# KiCad board klofi.kicad_pcb (continued)
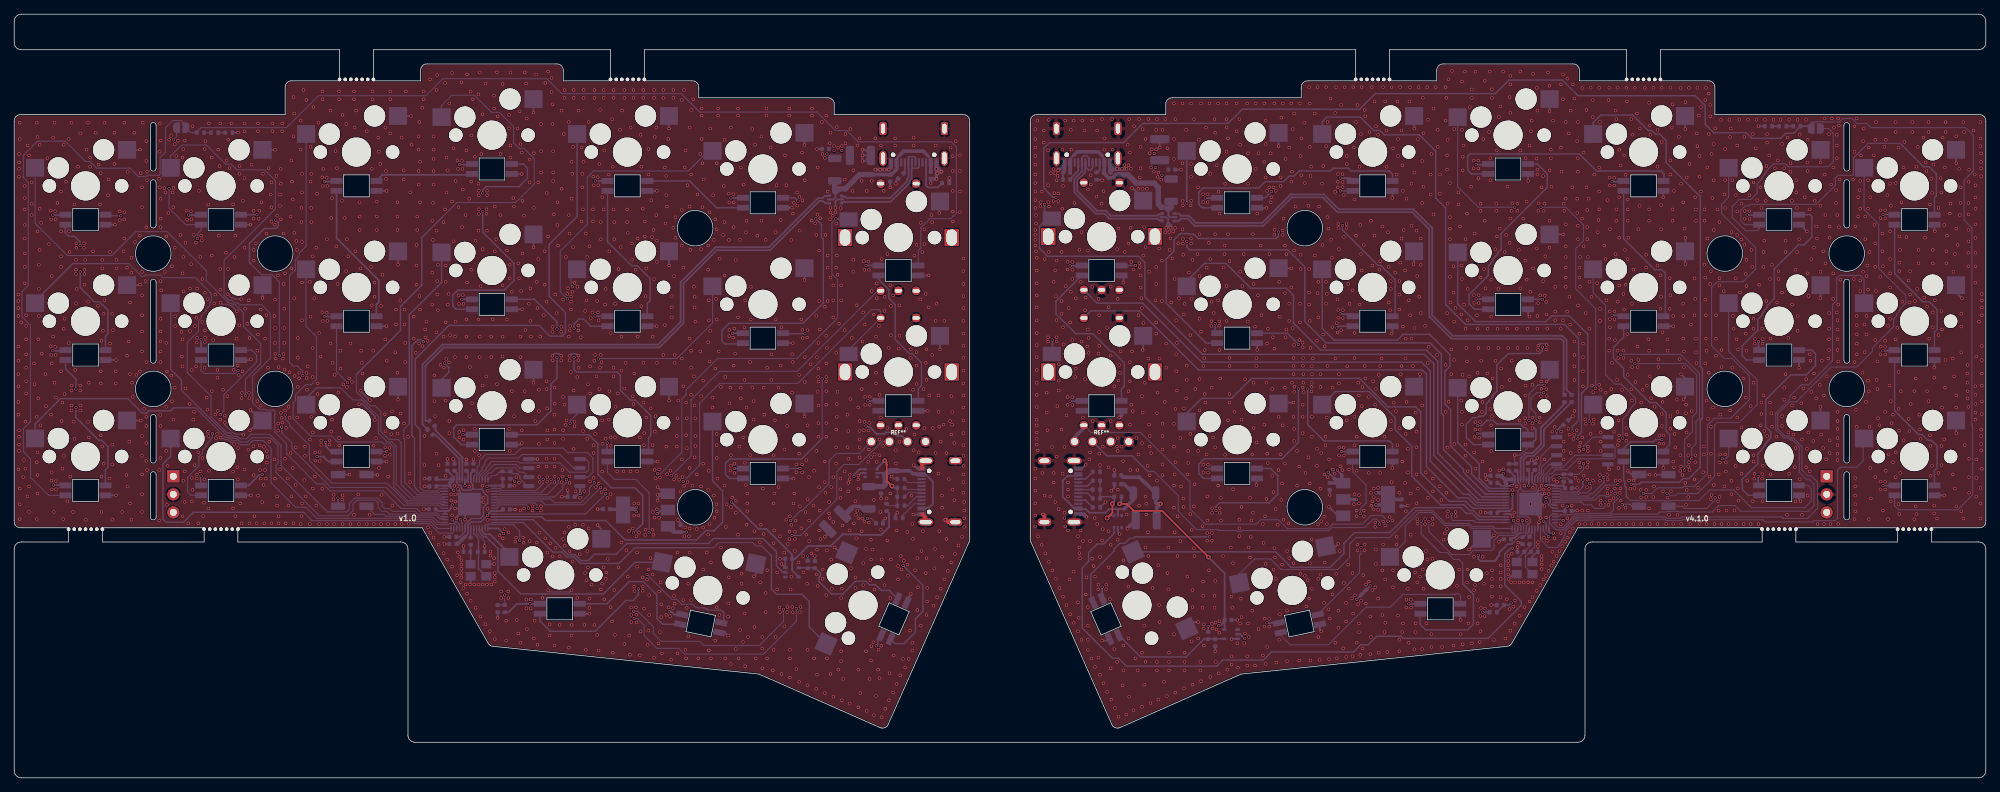
[diagram p0: board, top side]
## Routing (per net, layer and track width the routed paths; a pad name or vN(x,y) marks a point on that pad's centre or on a via; arc(x,y) is an arc through that point) (continued)
/left/VBUS_unfiltered: length 22.7
  Back w0.254: 128.4,87.64 128.88,87.16 J3.B4 ; J3.A4 124.08,87.2 124.29,87.41 124.29,87.43 124.68,87.82 ; 114.72,81.42 115.22,81.42 115.48,81.68 115.48,82.62
  Back w0.508: 120.58,84.92 123.33,84.92 124.08,85.67 J3.A4 ; 124.45,87.59 125.08,88.22 127.82,88.22 128.45,87.59 ; J3.B4 C7.1
  Back w0.762: 120.58,84.92 118.88,84.92 116.86,82.9 115.99,82.9 115.67,82.58 115.57,82.58 115.48,82.49 115.38,82.59 115.38,83.94
GND: length 186.3
  Front w0.508: v1(130.93,36.32) 131.04,36.32 131.36,36 J4.S4 ; J4.S1 127.68,44.15 127.68,43.57 ; 128.16,36.58 127.68,37.07
  Back w0.152: v1(31.91,67.38) 31.01,67.38 30.81,67.58 30.51,67.58 v1(30.01,68.08) ; v1(32.21,48.28) 32.11,48.38 31.17,48.38 31.07,48.48 30.91,48.48 30.78,48.62 30.68,48.62 29.61,49.68 v1(29.61,49.98) ; v1(29.01,47.88) 29.11,47.78 29.42,47.78 29.6,47.6 30.06,47.6 30.18,47.48 30.21,47.48 30.51,47.18 30.71,47.18 v1(30.91,46.98) ; R7.1 123.73,42.07 v1(123.38,42.42) ; v1(66.14,32.62) 66.14,33.29 65.01,34.42 U5.19 ; v1(31.31,65.68) 30.51,66.48 30.23,66.48 30.06,66.65 29.24,66.65 v1(29.01,66.88) ; 127.68,37.07 127.63,37.12 J4.B1 ; v1(78.38,26.42) 78.12,26.16 75.33,26.16 v1(75.08,26.42)
  Back w0.203: R18.2 v1(31.48,90.82) ; v1(48.51,52.58) 49.01,52.58 50.71,50.88 v1(50.71,50.38) ; v1(48.71,54.48) 48.71,54.38 49.91,53.18 v1(50.01,53.18) ; SW20.2 104.28,28.62 v1(104.03,28.37) ; v1(107.88,30.12) U6.3 ; v1(75.68,59.42) 75.94,59.68 76.65,59.68 v1(76.91,59.42) ; C25.2 v1(112.58,31.22) ; C23.2 v1(63.18,32.62) ; v1(79.31,59.42) 79.05,59.68 78.39,59.68 v1(78.11,59.4) ; C22.2 v1(66.14,32.62) ; C24.2 v1(107.68,30.82)
  Back w0.254: v1(53.97,72.23) SW9.2 ; U5.57 64.28,38.82 v1(65.98,38.82) ; U5.57 63.67,38.88 v1(62.02,38.88) ; U5.57 62.68,39.87 62.68,40.32 62.4,40.6 v1(62.4,40.65) ; U5.57 62.18,36.71 v1(62.18,36.52) ; U5.57 64.88,39.42 v1(65.98,39.42) ; U5.57 63.39,37.93 v1(63.39,36.32) ; U5.57 63.38,37.92 v1(61.98,37.92) ; U5.57 62.65,39.9 v1(62.02,39.9) ; v1(57.67,42.12) C14.2 ; LED8.3 33.17,58.81 v1(33.28,58.92) ; SMDSW2.1 51.01,42.68 v1(51.08,42.62) ; R9.1 123.92,37.06 v1(124.18,37.32) ; v1(111.12,70.08) SW12.2 ; C10.2 v1(60.48,32.92) ; v1(33.28,39.76) LED14.3 ; v1(118.69,42.52) 119.07,42.9 U4.2 ; EXLED1.3 128.57,70.72 v1(128.58,70.72) ; v1(61.71,44.88) 61.91,44.68 C17.2 ; v1(71.38,47.12) 71.16,46.9 LED16.3 ; v1(53.98,53.22) 53.97,53.23 SW15.2 ; C18.2 v1(60.91,44.88) ; 33.18,51.82 v1(33.23,51.77) 34.69,50.3 SW14.2 34.56,50.3 v1(33.18,48.92) ; LED18.3 109.4,42.14 109.42,42.12 v1(109.58,42.12) ; C20.2 122.16,36.2 v1(122.48,36.52) ; LED21.3 125.48,25.13 126.08,25.72 v1(126.08,25.92) ; C21.2 v1(121.88,39.32) ; LED5.3 90.27,82.62 90.28,82.62 v1(90.38,82.62) ; v1(111.12,89.08) SW6.2 ; v1(55.78,93.17) SW3.2 ; v1(73.02,55.62) SW16.2 ; v1(122.98,85.62) v1(122.38,85.62) v1(121.78,85.62) ; C24.2 108.42,29.58 U6.3 ; v1(123.98,83.62) 123.98,84.02 124.21,84.26 ; SW2.2 v1(36.68,88.4) ; v1(64.08,27.22) 64.18,27.32 Y1.2 ; C8.2 v1(60.48,33.92) ; 127.68,37.07 v1(126.43,37.07) ; U1.1 90.66,40 v1(90.48,39.82) ; U1.1 91.16,40 90.48,39.32 v1(90.48,39.02) ; U1.1 91.39,40 v1(90.48,40.92) ; C1.2 93.71,35.88 v1(93.31,36.28) ; v1(77.01,39.58) C3.2 77.83,40.46 v1(77.81,40.48) ; LED11.3 v1(90.33,63.57) ; 123.18,83.81 v1(123.18,83.09) ; v1(80.85,23.09) LED19.3 ; C4.2 119.65,86.82 v1(119.28,86.82) v1(119.28,88.42) 119.65,88.42 C4.2 ; C4.2 v1(119.28,87.62) ; SW21.2 116.1,31.7 v1(115.38,32.42) ; v1(115.48,80.22) 115.48,81.13 115.76,81.42 116.23,81.42 ; v1(100.38,20.02) 99.94,20.45 LED20.3 ; C11.2 v1(70.41,37.78) ; v1(90.48,44.52) 90.38,44.52 90.37,44.52 LED17.3 ; v1(57.61,37.82) C12.2 ; v1(71.36,85) LED4.3 ; SW11.2 v1(92.07,72.12) ; SMDSW1.1 v1(47.11,42.68) ; v1(130.08,79.52) 130.08,80.02 130.17,80.11 130.17,81.26 ; v1(109.35,80.24) LED6.3 ; v1(52.33,63.57) LED9.3 ; C5.2 v1(112.88,88.52) ; C15.2 v1(70.38,41.12) ; v1(82.03,35.57) 82.54,35.05 SW19.2 ; SW1.2 17.66,88.4 v1(17.68,88.42) ; v1(113.98,33.92) 114.38,34.33 C19.2 ; v1(52.37,82.62) LED3.3 ; Y1.4 67.43,30.07 v1(67.48,30.12) ; v1(64.58,44.84) C9.2 ; v1(73.58,44.87) U3.4 ; SW7.2 17.54,69.35 17.58,69.32 ; v1(14.18,77.86) LED1.3 ; v1(92.07,91.41) SW5.2 ; v1(17.79,50.3) SW13.2 ; SW10.2 v1(73.02,74.66) ; J4.A1 126.98,43.52 v1(126.48,44.02) ; v1(128.88,83.72) C7.2 ; v1(63.58,44.82) C16.2 ; v1(14.32,39.76) LED13.3 ; SW18.2 v1(111.12,50.86) 111.08,50.82 ; LED15.3 52.37,44.52 v1(52.38,44.52) ; v1(130.17,60.31) EXSW2.S1 ; v1(33.22,77.86) LED2.3 ; v1(92.07,53.11) SW17.2 ; SW4.2 v1(73.02,93.66) ; SW8.2 v1(34.92,67.56) ; LED10.3 v1(71.41,65.95) ; v1(82.03,37.82) C2.2 ; v1(57.71,41.02) C13.2 ; v1(128.48,51.67) EXLED2.3 ; v1(109.48,61.19) LED12.3 ; R3.2 v1(67.98,22.52) ; v1(14.28,58.81) LED7.3
  Back w0.508: v1(121.08,85.62) v1(121.78,85.62) v1(122.98,85.62) 123.28,85.92 J3.A1 ; J3.B1 129.68,86.02 v1(130.38,85.32) ; J3.B1 v1(129.68,85.72) 129.68,85.55 129.9,85.32 v1(130.38,85.32) ; J3.B1 129.68,85.82 ; R6.1 131.49,84.41 v1(131.48,84.42) ; v1(130.38,85.32) 130.08,85.32 129.86,85.1 v1(129.79,85.1) 129.68,84.99 v1(129.68,84.32) 129.04,84.32 129.02,84.34 C7.2
  vias: v1(0.58,68.02) v1(0.58,67.12) v1(0.58,66.12) v1(0.58,65.02) v1(0.58,60.72) v1(0.58,58.72) v1(0.58,56.82) v1(0.58,55.12) v1(0.58,52.92) v1(0.58,51.12) v1(0.58,43.42) v1(0.68,87.82) v1(0.68,86.62) v1(0.68,85.72) v1(0.68,84.62) v1(0.68,48.92) v1(0.68,48.02) v1(0.68,46.92) v1(0.68,46.02) v1(0.78,92.22) v1(0.78,89.92) v1(0.78,40.72) v1(0.78,38.52) v1(0.78,36.42) v1(0.98,64.12) v1(1.28,42.32) v1(1.38,44.72) v1(1.48,83.32) v1(1.48,81.62) v1(1.48,80.02) v1(1.48,77.82) v1(1.48,75.92) v1(1.48,73.82) v1(1.48,71.92) v1(1.48,69.62) v1(1.58,50.12) v1(1.58,43.52) v1(1.68,65.12) v1(1.68,63.62) v1(1.68,61.72) v1(1.68,59.62) v1(1.68,57.72) v1(1.68,55.82) v1(1.68,54.12) v1(1.88,89.02) v1(1.88,39.62) v1(2.08,87.62) v1(2.08,41.02) v1(2.08,37.42) v1(2.46,83.82) v1(2.46,80.82) v1(2.46,79.22) v1(2.78,58.32) v1(2.88,55.42) v1(3.18,92.22) v1(3.18,50.82) v1(3.18,44.42) v1(3.18,36.42) v1(3.28,90.22) v1(3.28,76.92) v1(3.28,45.82) v1(3.28,42.62) v1(3.28,40.02) v1(3.38,61.72) v1(3.38,53.42) v1(3.48,72.22) v1(3.48,68.82) v1(3.48,65.02) v1(3.58,89.12) v1(3.58,80.12) v1(3.58,74.32) v1(3.68,49.62) v1(3.78,78.12) v1(3.88,59.72) v1(4.38,56.82) v1(4.48,52.32) v1(4.68,87.22) v1(4.88,75.12) v1(5.13,79.83) v1(5.13,60.73) v1(5.2,78.6) v1(5.2,59.5) v1(5.18,51.12) v1(5.23,41.83) v1(5.28,70.62) v1(5.28,58.32) v1(5.28,43.02) v1(5.3,40.6) v1(5.48,90.12) v1(5.48,62.12) v1(5.58,37.42) v1(5.68,92.22) v1(5.75,79.76) v1(5.75,60.66) v1(5.68,55.62) v1(5.83,78.62) v1(5.83,59.52) v1(5.85,41.76) v1(5.88,53.52) v1(5.88,40.62) v1(6.08,80.92) v1(6.58,82.52) v1(6.58,76.92) v1(6.58,73.42) v1(6.58,71.92) v1(6.58,57.22) v1(6.68,50.22) v1(6.78,52.82) v1(6.78,43.52) v1(6.88,36.42) v1(6.98,89.12) v1(6.98,63.22) v1(6.98,45.32) v1(7.08,64.62) v1(7.08,54.02) v1(7.28,83.92) v1(7.48,38.92) v1(7.68,89.92) v1(7.7,76.96) v1(7.68,61.22) v1(7.78,74.02) v1(7.88,42.42) v1(8.08,92.22) v1(8.08,55.22) v1(8.08,54.52) v1(8.08,52.42) v1(8.08,51.72) v1(8.28,37.42) v1(8.38,50.12) v1(8.48,80.72) v1(8.48,47.72) v1(8.58,57.42) v1(8.74,75.24) v1(8.74,74.6) v1(8.68,72.92) v1(8.68,71.52) v1(8.68,70.92) v1(8.68,66.82) v1(8.78,68.82) v1(8.98,86.02) v1(9.28,90.72) v1(9.28,55.22) v1(9.28,54.52) v1(9.28,52.42) v1(9.28,51.72) v1(9.81,75.24) v1(9.81,74.6) v1(9.88,71.52) v1(9.88,70.92) v1(9.88,69.42) v1(9.98,72.92) v1(10.08,36.32) v1(10.18,88.42) v1(10.38,92.22) v1(10.38,67.02) v1(10.38,50.12) v1(10.48,55.62) v1(10.48,47.92) v1(10.68,87.32) v1(10.68,86.02) v1(11.08,74.12) v1(11.48,90.82) v1(11.78,66.42) v1(11.88,86.32) v1(12.08,80.72) v1(12.18,85.12) v1(12.18,57.22) v1(12.18,55.52) v1(12.18,48.22) v1(12.28,61.52) v1(12.28,42.42) v1(12.28,37.42) v1(12.38,72.92) v1(12.38,71.72) v1(12.38,46.62) v1(12.48,62.92) v1(12.58,65.32) v1(12.58,44.22) v1(12.68,92.22) v1(12.68,67.22) v1(13.18,82.02) v1(13.28,84.22) v1(13.38,42.12) v1(13.48,74.02) v1(13.48,61.12) v1(13.78,65.32) v1(13.78,46.92) v1(13.78,44.12) v1(13.78,36.32) v1(13.88,63.02) v1(14.08,90.82) v1(14.08,86.42) v1(14.28,57.22) v1(14.28,55.52) v1(14.38,72.92) v1(14.38,71.72) v1(14.85,79.73) v1(14.85,78.51) v1(15.18,37.42) v1(15.38,74.12) v1(15.48,92.22) v1(15.48,79.62) v1(15.48,78.62) v1(15.48,75.92) v1(15.78,42.62) v1(15.88,71.82) v1(15.88,59.42) v1(15.98,85.32) v1(15.98,41.02) v1(16.08,61.42) v1(16.18,47.32) v1(16.28,66.92) v1(16.28,56.82) v1(16.28,38.62) v1(16.48,73.22) v1(16.48,71.12) v1(16.48,36.32) v1(16.58,55.62) v1(16.68,53.62) v1(16.88,90.82) v1(16.98,75.42) v1(17.18,56.72) v1(17.68,76.32) v1(17.68,69.42) v1(17.68,57.22) v1(17.78,85.12) v1(17.98,83.12) v1(17.98,80.32) v1(17.97,71.22) v1(17.98,67.92) v1(17.98,65.12) v1(17.98,62.82) v1(17.98,60.02) v1(17.98,48.12) v1(17.98,45.32) v1(17.98,42.72) v1(17.98,39.92) v1(17.98,37.42) v1(18.08,92.22) v1(18.26,51.92) v1(18.48,69.92) v1(18.58,89.62) v1(18.58,86.82) v1(18.58,77.52) v1(18.58,58.52) v1(18.58,50.82) v1(18.58,49.52) v1(18.58,47.12) v1(18.58,44.62) v1(18.68,85.32) v1(18.68,84.12) v1(18.68,43.32) v1(20.38,84.32) v1(20.38,43.32) v1(20.38,36.22) v1(20.48,92.12) v1(20.48,88.12) v1(20.48,83.12) v1(20.51,51.08) v1(20.58,89.72) v1(20.58,81.52) v1(20.58,78.72) v1(20.58,77.52) v1(20.58,69.92) v1(20.58,64.62) v1(20.58,62.82) v1(20.58,61.42) v1(20.58,60.02) v1(20.58,58.52) v1(20.58,49.52) v1(20.58,45.02) v1(20.68,68.62) v1(21.12,83.02) v1(21.18,71.22) v1(21.28,82.42) v1(21.38,76.22) v1(21.38,61.22) v1(21.38,52.22) v1(21.38,46.02) v1(21.48,57.22) v1(21.48,38.42) v1(21.58,43.92) v1(21.68,79.52) v1(21.78,89.82) v1(22.06,90.34) v1(22.08,56.62) v1(22.18,72.02) v1(22.18,53.02) v1(22.28,82.42) v1(22.39,83.04) v1(22.38,80.32) v1(22.38,50.42) v1(22.58,89.22) v1(22.58,74.62) v1(22.61,64.98) v1(22.61,63.58) v1(22.58,54.92) v1(22.78,87.52) v1(23.01,89.69) v1(23.38,76.42) v1(23.51,62.78) v1(23.58,59.32) v1(23.68,87.32) v1(23.68,71.02) v1(23.68,61.72) v1(23.68,57.92) v1(23.68,36.82) v1(23.78,88.52) v1(23.78,73.32) v1(23.81,68.48) v1(23.78,41.82) v1(23.98,89.72) v1(23.98,43.12) v1(23.98,38.82) v1(24.08,75.32) v1(24.08,54.82) v1(24.23,79.83) v1(24.3,78.6) v1(24.48,35.82) v1(24.71,68.88) v1(24.71,62.88) v1(24.68,52.62) v1(24.85,79.76) v1(24.93,78.62) v1(24.88,72.32) v1(24.98,57.42) v1(24.98,42.22) v1(24.98,38.92) v1(25.08,91.72) v1(25.08,40.52) v1(25.18,50.42) v1(25.28,76.42) v1(25.28,51.52) v1(25.41,63.58) v1(25.38,44.02) v1(25.54,75.33) v1(25.61,64.78) v1(25.58,57.92) v1(25.71,68.88) v1(25.71,61.92) v1(25.68,61.27) v1(25.68,42.69) v1(25.68,42.12) v1(25.88,45.82) v1(25.88,35.82) v1(25.98,82.62) v1(26.18,73.32) v1(26.18,43.12) v1(26.28,76.32) v1(26.38,75.69) v1(26.41,64.18) v1(26.48,70.22) v1(26.48,45.02) v1(26.55,36.83) v1(26.73,42.02) v1(26.68,38.72) v1(26.78,88.52) v1(26.81,68.28) v1(26.81,62.98) v1(26.83,61.95) v1(26.81,61.34) v1(26.78,57.72) v1(26.88,89.62) v1(27.08,53.52) v1(27.21,67.38) v1(27.18,51.82) v1(27.28,80.72) v1(27.26,48.72) v1(27.34,48.1) v1(27.28,37.92) v1(27.38,92.12) v1(27.38,43.22) v1(27.78,87.32) v1(27.78,73.52) v1(27.78,54.42) v1(27.98,61.62) v1(28.11,66.78) v1(28.28,68.02) v1(28.28,51.12) v1(28.38,47.82) v1(28.52,48.4) v1(28.58,57.42) v1(28.58,56.32) v1(28.63,51.64) v1(28.68,88.42) v1(28.78,76.32) v1(28.88,86.12) v1(28.98,92.12) v1(28.98,71.62) v1(28.98,68.72) v1(28.98,50.42) v1(29.38,54.62) v1(29.59,51) v1(29.78,73.92) v1(29.88,86.92) v1(29.98,53.72) v1(30.08,89.82) v1(30.08,71.62) v1(30.28,85.82) v1(30.58,92.12) v1(30.78,80.72) v1(30.86,57.42) v1(30.78,43.12) v1(30.78,37.92) v1(30.98,73.32) v1(31.08,76.32) v1(31.08,36.82) v1(31.28,61.82) v1(31.43,58.07) v1(31.38,43.72) v1(31.44,41.99) v1(31.48,46.42) v1(31.58,56.7) v1(31.68,86.12) v1(31.68,85.02) v1(31.68,63.72) v1(31.78,38.62) v1(32.01,54.18) v1(31.98,53.46) v1(31.98,35.82) v1(32.09,57.22) v1(32.18,81.22) v1(32.38,92.12) v1(32.38,91.02) v1(32.38,84.42) v1(32.38,74.62) v1(32.38,43.42) v1(32.48,66.02) v1(32.77,63.92) v1(32.91,46.18) v1(32.98,67.22) v1(33.01,54.18) v1(33.05,53.46) v1(33.08,61.92) v1(33.08,35.82) v1(33.38,86.32) v1(33.61,46.68) v1(33.68,79.82) v1(33.68,78.72) v1(33.68,74.32) v1(33.68,72.82) v1(33.68,42.62) v1(33.78,36.82) v1(33.98,75.22) v1(34.08,35.82) v1(34.18,60.12) v1(34.18,53.02) v1(34.28,92.12) v1(34.28,91.02) v1(34.28,62.42) v1(34.28,39.72) v1(34.39,78.7) v1(34.48,79.82) v1(34.51,46.78) v1(34.58,43.32) v1(34.68,65.92) v1(34.68,52.38) v1(34.68,42.12) v1(34.78,81.02) v1(34.88,38.82) v1(34.98,85.02) v1(35.11,46.58) v1(35.08,41.22) v1(35.18,35.82) v1(35.28,61.82) v1(35.28,43.32) v1(35.38,42.12) v1(35.48,76.62) v1(35.48,65.12) v1(35.51,45.98) v1(35.51,44.38) v1(35.61,45.18) v1(35.68,57.72) v1(35.78,85.82) v1(35.88,47.32) v1(36.08,82.12) v1(36.18,83.82) v1(36.18,80.32) v1(36.19,78.29) v1(36.18,35.82) v1(36.28,92.12) v1(36.28,91.02) v1(36.64,77.85) v1(36.58,65.02) v1(36.6,44.82) v1(36.68,67.32) v1(36.68,63.32) v1(36.68,61.22) v1(36.72,59.7) v1(36.68,42.12) v1(36.78,59.02) v1(36.88,84.72) v1(36.98,79.12) v1(36.98,39.62) v1(36.98,38.32) v1(37.08,70.72) v1(37.13,49.86) v1(37.13,48.88) v1(37.18,57.82) v1(37.18,36.82) v1(37.18,35.82) v1(37.38,82.12) v1(37.38,80.52) v1(37.38,43.42) v1(37.48,85.72) v1(37.48,83.62) v1(37.48,78.62) v1(37.51,51.38) v1(37.61,50.68) v1(37.68,92.12) v1(37.68,91.02) v1(37.72,50) v1(37.86,59.65) v1(37.78,59.02) v1(37.88,76.62) v1(37.88,69.52) v1(37.98,66.02) v1(37.98,63.32) v1(37.98,61.22) v1(38.01,57.48) v1(38.08,71.02) v1(38.11,51.7) v1(38.08,44.92) v1(38.23,49.26) v1(38.18,35.82) v1(38.48,42.12) v1(38.58,52.22) v1(38.58,38.32) v1(38.71,57.08) v1(38.71,50.68) v1(38.88,79.02) v1(38.88,45.72) v1(38.98,86.92) v1(38.98,71.72) v1(38.98,39.62) v1(39.08,83.92) v1(39.18,81.42) v1(39.18,43.62) v1(39.28,95.82) v1(39.28,90.32) v1(39.28,35.82) v1(39.38,93.52) v1(39.38,76.72) v1(39.38,67.52) v1(39.43,56.57) v1(39.58,46.52) v1(39.58,41.22) v1(39.68,75.57) v1(39.78,74.32) v1(39.78,50.72) v1(39.88,61.92) v1(39.88,59.12) v1(39.88,55.02) v1(40.09,57) v1(40.06,56.25) v1(40.28,92.52) v1(40.28,88.42) v1(40.28,35.73) v1(40.38,80.22) v1(40.38,78.22) v1(40.38,36.82) v1(40.48,85.02) v1(40.48,82.42) v1(40.48,75.42) v1(40.48,69.72) v1(40.48,64.42) v1(40.48,38.62) v1(40.68,96.82) v1(40.78,41.92) v1(40.88,46.62) v1(40.88,45.32) v1(40.98,39.62) v1(41.08,95.42) v1(41.11,56.98) v1(41.11,56.28) v1(41.18,54.62) v1(41.28,57.92) v1(41.58,69.82) v1(41.58,47.62) v1(41.58,35.73) v1(41.68,88.82) v1(41.68,83.92) v1(41.68,64.92) v1(41.78,85.02) v1(41.78,80.22) v1(41.78,78.22) v1(41.78,50.82) v1(41.98,73.42) v1(41.98,60.52) v1(41.98,56.42) v1(41.98,48.62) v1(41.98,40.72) v1(42.08,94.42) v1(42.18,67.52) v1(42.32,45.79) v1(42.34,44.64) v1(42.28,42.42) v1(42.48,74.62) v1(42.48,38.32) v1(42.58,82.22) v1(42.68,55.52) v1(42.68,54.02) v1(42.78,92.22) v1(42.88,62.62) v1(42.88,35.73) v1(42.98,45.82) v1(42.98,44.62) v1(43.08,59.32) v1(43.18,47.45) v1(43.18,46.88) v1(43.33,84.53) v1(43.33,65.53) v1(43.31,40.7) v1(43.38,96.62) v1(43.38,95.52) v1(43.4,83.3) v1(43.4,64.3) v1(43.48,85.72) v1(43.95,84.46) v1(43.95,65.46) v1(44.03,83.32) v1(43.98,75.82) v1(44.03,64.32) v1(43.98,35.73) v1(44.34,47.5) v1(44.31,46.9) v1(44.48,93.92) v1(44.48,61.12) v1(44.58,78.82) v1(44.58,48.72) v1(44.68,81.62) v1(44.68,50.42) v1(44.78,58.42) v1(44.93,39.84) v1(44.88,39.22) v1(44.98,35.73) v1(45.08,56.72) v1(45.18,88.22) v1(45.28,74.82) v1(45.38,85.82) v1(45.48,69.52) v1(45.58,54.22) v1(45.68,96.62) v1(45.68,95.52) v1(45.68,47.82) v1(45.7,46.79) v1(45.88,60.12) v1(45.88,57.62) v1(46.08,81.22) v1(46.12,39.17) v1(46.18,93.32) v1(46.18,39.75) v1(46.18,35.73) v1(46.29,55.39) v1(46.48,78.82) v1(46.68,92.02) v1(46.68,71.32) v1(46.78,75.82) v1(46.77,55) v1(46.98,73.42) v1(47.1,56.21) v1(47.28,61.12) v1(47.28,35.73) v1(47.49,55.72) v1(47.78,96.62) v1(47.78,95.52) v1(47.78,37.02) v1(47.88,91.52) v1(47.98,74.12) v1(48.08,93.92) v1(48.38,39.89) v1(48.48,35.73) v1(48.58,81.02) v1(48.58,79.02) v1(48.58,77.12) v1(48.68,71.72) v1(48.78,60.12) v1(48.88,58.42) v1(48.98,56.92) v1(49.58,91.02) v1(49.58,35.73) v1(49.98,37.02) v1(50.18,71.92) v1(50.28,85.72) v1(50.28,66.52) v1(50.38,96.62) v1(50.38,95.52) v1(50.48,60.12) v1(50.54,46.74) v1(50.58,35.73) v1(50.68,69.72) v1(50.68,67.72) v1(50.88,47.82) v1(50.98,81.12) v1(50.98,79.02) v1(50.98,77.12) v1(51.18,90.12) v1(51.28,88.12) v1(51.28,43.62) v1(51.48,86.42) v1(51.58,66.42) v1(51.58,35.73) v1(51.68,39.82) v1(51.78,70.82) v1(52.11,51.18) v1(52.14,45.34) v1(52.18,91.52) v1(52.18,61.72) v1(52.21,48.78) v1(52.18,46.52) v1(52.28,85.42) v1(52.28,84.32) v1(52.38,58.72) v1(52.58,42.42) v1(52.58,35.73) v1(52.78,46.42) v1(52.82,45.48) v1(52.88,96.62) v1(52.88,95.52) v1(52.88,90.72) v1(53.01,48.38) v1(53.11,51.58) v1(53.18,38.32) v1(53.58,59.92) v1(53.58,35.73) v1(53.68,65.92) v1(53.68,63.82) v1(53.88,81.02) v1(53.88,79.02) v1(53.88,77.12) v1(53.88,57.02) v1(53.91,48.48) v1(54.28,67.22) v1(54.31,51.28) v1(54.48,90.12) v1(54.48,35.73) v1(54.78,85.52) v1(54.78,84.22) v1(54.81,49.88) v1(54.88,65.92) v1(54.88,63.82) v1(54.98,61.22) v1(54.98,58.52) v1(55.08,96.62) v1(55.38,48.02) v1(55.48,35.73) v1(55.58,42.82) v1(55.68,82.42) v1(55.68,41.62) v1(55.88,89.12) v1(56.18,64.92) v1(56.18,61.82) v1(56.48,59.82) v1(56.58,75.02) v1(56.58,72.12) v1(56.58,69.42) v1(56.68,79.02) v1(56.68,77.12) v1(56.88,90.32) v1(56.88,88.42) v1(56.88,85.42) v1(56.88,83.52) v1(56.93,61.15) v1(56.98,92.32) v1(56.98,67.82) v1(57.08,86.72) v1(57.08,81.02) v1(57.08,65.92) v1(57.38,94.32) v1(57.39,60.77) v1(57.58,96.62) v1(57.58,95.52) v1(57.68,48.12) v1(57.68,44.02) v1(57.78,63.12) v1(57.81,61.98) v1(57.98,64.22) v1(58.13,61.5) v1(58.18,35.28) v1(58.48,98.32) v1(58.51,34.48) v1(58.78,78.42) v1(58.78,71.12) v1(58.78,66.62) v1(58.88,80.92) v1(58.88,75.72) v1(58.98,90.32) v1(58.98,88.42) v1(58.98,87.12) v1(58.98,85.42) v1(58.98,83.52) v1(58.98,33.82) v1(59.08,56.62) v1(59.08,53.02) v1(59.18,50.92) v1(59.38,96.82) v1(59.38,77.02) v1(59.38,62.72) v1(59.38,45.62) v1(59.48,98.92) v1(59.48,69.92) v1(59.48,68.02) v1(59.58,72.22) v1(59.58,65.82) v1(59.68,44.02) v1(59.68,32.82) v1(59.93,58.15) v1(60.38,78.22) v1(60.38,62.12) v1(60.41,57.76) v1(60.38,31.62) v1(60.58,97.82) v1(60.58,80.02) v1(60.68,72.12) v1(60.68,69.82) v1(60.68,64.12) v1(60.74,58.96) v1(60.68,53.12) v1(60.68,42.52) v1(60.79,87.32) v1(60.78,82.42) v1(60.88,30.72) v1(60.98,85.52) v1(60.98,66.62) v1(61.08,68.12) v1(61.13,58.48) v1(61.18,94.92) v1(61.18,50.22) v1(61.18,48.52) v1(61.28,62.32) v1(61.46,39.92) v1(61.47,39.03) v1(61.58,99.22) v1(61.58,81.12) v1(61.58,36.94) v1(61.58,29.72) v1(61.78,88.62) v1(61.78,75.52) v1(61.88,41.1) v1(61.98,62.12) v1(61.98,59.22) v1(62.08,84.02) v1(62.08,64.22) v1(62.33,86.93) v1(62.28,28.52) v1(62.4,85.7) v1(62.38,31.72) v1(62.48,80.32) v1(62.48,67.92) v1(62.55,66.72) v1(62.59,48.68) v1(62.6,47.91) v1(62.58,31.12) v1(62.78,27.52) v1(62.88,97.92) v1(62.95,86.86) v1(62.88,30.62) v1(62.88,29.99) v1(62.88,29.42) v1(62.88,28.82) v1(62.88,28.22) v1(63.03,85.72) v1(62.98,77.52) v1(63.08,82.82) v1(63.09,67.96) v1(63.18,66.72) v1(63.18,48.92) v1(63.18,47.62) v1(63.18,26.72) v1(63.48,79.22) v1(63.48,27.22) v1(63.58,88.32) v1(63.58,64.52) v1(63.58,62.12) v1(63.58,59.22) v1(63.68,99.02) v1(63.68,69.72) v1(63.68,25.92) v1(63.98,81.52) v1(63.99,40.99) v1(64.08,57.82) v1(64.08,50.92) v1(64.18,96.62) v1(64.18,24.92) v1(64.28,90.42) v1(64.28,83.92) v1(64.28,71.52) v1(64.38,52.72) v1(64.48,95.52) v1(64.68,27.22) v1(64.78,87.42) v1(64.78,49.12) v1(64.78,46.02) v1(64.88,75.62) v1(64.88,23.92) v1(65.28,96.22) v1(65.28,83.62) v1(65.34,82.64) v1(65.34,82) v1(65.34,80.04) v1(65.35,79.37) v1(65.28,77.02) v1(65.28,64.52) v1(65.3,27.22) v1(65.38,45.42) v1(65.48,99.32) v1(65.48,62.12) v1(65.48,59.22) v1(65.58,69.22) v1(65.58,22.72) v1(65.68,87.82) v1(65.86,41.13) v1(65.88,93.42) v1(65.88,74.42) v1(65.88,55.22) v1(65.88,27.22) v1(66.28,97.72) v1(66.28,21.62) v1(66.41,80.04) v1(66.41,79.4) v1(66.38,56.52) v1(66.48,82.64) v1(66.48,82.02) v1(66.48,77.02) v1(66.55,37.87) v1(66.48,27.22) v1(66.6,40.41) v1(66.6,36.29) v1(66.95,31.27) v1(66.88,20.62) v1(66.98,31.82) v1(67.08,62.12) v1(67.08,59.22) v1(67.1,27.22) v1(67.28,64.52) v1(67.48,96.02) v1(67.48,94.22) v1(67.48,30.92) v1(67.58,80.42) v1(67.58,74.12) v1(67.58,28.82) v1(67.58,28.24) v1(67.58,27.62) v1(67.58,19.52) v1(67.78,75.82) v1(67.88,99.32) v1(67.88,55.42) v1(67.98,93.12) v1(68.23,34.15) v1(68.38,87.82) v1(68.38,79.22) v1(68.48,26.22) v1(68.48,25.32) v1(68.68,97.67) v1(68.68,69.32) v1(68.68,62.12) v1(68.68,59.32) v1(68.68,33.72) v1(68.98,35.02) v1(69.18,22.12) v1(69.18,19.32) v1(69.28,74.22) v1(69.28,64.52) v1(69.51,34.58) v1(69.48,26.22) v1(69.48,25.32) v1(69.58,93.32) v1(69.58,91.42) v1(69.58,49.12) v1(69.68,72.22) v1(69.68,70.32) v1(69.68,46.02) v1(69.78,99.32) v1(69.78,89.02) v1(69.78,87.32) v1(69.98,68.42) v1(69.98,54.42) v1(70.18,81.62) v1(70.28,80.42) v1(70.28,50.92) v1(70.47,33.27) v1(70.62,42.31) v1(70.58,33.82) v1(70.68,22.22) v1(70.78,91.42) v1(70.88,72.42) v1(70.88,20.32) v1(70.98,70.32) v1(70.98,41.56) v1(71.08,93.82) v1(71.18,89.22) v1(71.18,62.12) v1(71.18,59.22) v1(71.18,37.62) v1(71.18,19.02) v1(71.28,68.52) v1(71.38,88.02) v1(71.38,48.92) v1(71.48,81.22) v1(71.48,73.82) v1(71.58,33.82) v1(71.61,33.1) v1(71.68,79.12) v1(71.69,37.91) v1(71.78,99.32) v1(71.78,54.42) v1(71.88,63.02) v1(71.98,97.72) v1(72.01,25.07) v1(72.01,23.88) v1(72.08,92.82) v1(72.08,20.92) v1(72.38,66.72) v1(72.48,87.02) v1(72.48,83.82) v1(72.48,33.32) v1(72.58,68.92) v1(72.58,64.32) v1(72.64,25.1) v1(72.61,23.88) v1(72.68,62.12) v1(72.88,38.22) v1(72.88,37.62) v1(73.08,87.92) v1(73.08,80.22) v1(73.08,19.62) v1(73.18,22.12) v1(73.28,50.22) v1(73.38,99.02) v1(73.48,69.82) v1(73.48,33.12) v1(73.58,66.12) v1(73.58,18.72) v1(73.68,83.82) v1(73.68,73.02) v1(73.68,43.82) v1(73.78,54.62) v1(73.78,51.62) v1(73.78,47.02) v1(73.84,42.34) v1(73.88,41.64) v1(73.88,34.52) v1(73.98,62.12) v1(74.08,92.02) v1(74.08,88.22) v1(74.08,85.22) v1(74.08,38.22) v1(74.08,37.62) v1(74.28,25.32) v1(74.48,65.12) v1(74.58,74.12) v1(74.58,69.42) v1(74.68,97.82) v1(74.68,33.72) v1(74.88,82.32) v1(74.88,67.02) v1(74.88,55.82) v1(74.88,54.72) v1(74.94,52.02) v1(74.88,44.92) v1(74.88,43.82) v1(74.95,42.33) v1(74.95,41.7) v1(74.98,48.92) v1(74.98,47.62) v1(74.98,31.72) v1(75.08,99.42) v1(75.08,76.22) v1(75.28,21.62) v1(75.28,20.02) v1(75.38,33.02) v1(75.58,98.52) v1(75.58,96.52) v1(75.68,94.82) v1(75.68,92.02) v1(75.71,63.48) v1(75.71,62.78) v1(75.71,58.78) v1(75.71,31.18) v1(75.78,88.22) v1(75.78,85.22) v1(75.78,84.02) v1(75.88,79.32) v1(75.98,54.92) v1(76.01,52.66) v1(75.98,51.12) v1(75.98,49.02) v1(75.98,47.12) v1(75.98,44.92) v1(75.98,43.82) v1(76,42.38) v1(75.98,41.62) v1(75.98,18.62) v1(76.08,68.02) v1(76.11,32.38) v1(76.28,65.42) v1(76.38,81.02) v1(76.38,77.82) v1(76.48,74.92) v1(76.71,31.18) v1(76.68,21.52) v1(76.91,63.48) v1(76.91,62.78) v1(76.91,58.78) v1(76.98,93.92) v1(76.98,82.92) v1(76.98,41.62) v1(77.16,67.32) v1(77.08,43.32) v1(77.09,42.41) v1(77.18,53.62) v1(77.18,48.92) v1(77.18,47.72) v1(77.18,33.62) v1(77.28,90.62) v1(77.38,96.82) v1(77.38,95.72) v1(77.38,52.52) v1(77.38,34.52) v1(77.41,32.68) v1(77.55,49.68) v1(77.58,73.32) v1(77.68,50.29) v1(77.78,68.12) v1(77.88,68.92) v1(77.98,92.32) v1(77.98,79.22) v1(77.98,62.12) v1(77.98,35.32) v1(77.98,18.32) v1(78.08,76.62) v1(78.11,62.98) v1(78.11,58.78) v1(78.08,42.42) v1(78.08,41.52) v1(78.11,31.91) v1(78.18,63.6) v1(78.31,67.74) v1(78.28,67.04) v1(78.28,65.92) v1(78.28,57.12) v1(78.38,86.72) v1(78.38,81.52) v1(78.38,21.52) v1(78.38,20.02) v1(78.48,85.02) v1(78.48,68.42) v1(78.51,30.48) v1(78.58,88.82) v1(78.58,74.72) v1(78.68,96.82) v1(78.68,95.72) v1(78.68,54.52) v1(78.68,46.32) v1(78.8,69.65) v1(78.78,50.12) v1(78.78,49.49) v1(78.94,40.33) v1(78.88,35.62) v1(79.18,69.12) v1(79.18,56.42) v1(79.18,25.32) v1(79.31,63.68) v1(79.31,62.98) v1(79.31,58.78) v1(79.38,93.92) v1(79.38,57.72) v1(79.51,31.48) v1(79.58,39.42) v1(79.68,62.02) v1(79.78,88.72) v1(79.78,78.32) v1(79.88,85.02) v1(79.88,83.12) v1(79.98,80.02) v1(79.98,48.82) v1(79.98,35.62) v1(80.08,96.82) v1(80.08,95.72) v1(80.08,86.72) v1(80.15,40.35) v1(80.18,21.52) v1(80.28,65.72) v1(80.28,28.82) v1(80.38,76.62) v1(80.38,18.02) v1(80.48,67.22) v1(80.48,27.82) v1(80.58,73.32) v1(80.58,47.72) v1(80.58,31.92) v1(80.68,55.42) v1(80.68,29.62) v1(80.78,92.32) v1(80.78,35.12) v1(80.88,74.82) v1(80.88,25.22) v1(80.88,23.92) v1(80.98,57.92) v1(80.98,54.12) v1(80.98,41.72) v1(81.08,64.72) v1(81.18,27.22) v1(81.3,65.52) v1(81.43,84.63) v1(81.38,80.02) v1(81.38,78.32) v1(81.5,83.4) v1(81.56,58.71) v1(81.48,46.82) v1(81.48,45.72) v1(81.48,42.22) v1(81.58,96.82) v1(81.58,95.72) v1(81.58,21.52) v1(81.68,59.52) v1(81.68,48.42) v1(81.8,40.93) v1(81.88,56.52) v1(82.05,84.56) v1(81.98,67.12) v1(81.98,20.12) v1(82.13,83.42) v1(82.08,65.52) v1(82.18,64.42) v1(82.19,41.42) v1(82.18,17.92) v1(82.28,86.42) v1(82.28,54.72) v1(82.38,94.02) v1(82.38,57.72) v1(82.48,78.22) v1(82.48,75.82) v1(82.48,59.52) v1(82.48,26.52) v1(82.58,58.52) v1(82.58,40.22) v1(82.68,81.72) v1(82.68,50.32) v1(82.76,47.02) v1(82.68,43.12) v1(82.68,27.32) v1(82.88,96.82) v1(82.88,95.72) v1(82.88,80.02) v1(82.88,29.62) v1(82.98,88.32) v1(82.98,25.12) v1(83.08,66.62) v1(83.07,40.6) v1(83.18,68.82) v1(83.18,47.72) v1(83.18,28.02) v1(83.28,28.92) v1(83.42,39.41) v1(83.48,30.82) v1(83.58,84.92) v1(83.58,50.42) v1(83.68,74.12) v1(83.68,54.42) v1(83.88,62.62) v1(83.88,47.92) v1(83.88,46.74) 